# Allegro board SG2042_EVB_V1_1.brd (continued)
## Placement (name value [footprint] x y rotation side) (continued)
R1310  10K_1%  [R0402]  111.51 169.54 90 top
R1311  0R_1%  [R0402]  208.81 221.46 0 top
R1312  0R_1%  [R0402]  208.81 218.87 0 top
R1313  0R_1%  [R0402]  208.81 215.42 0 top
R1315  0R_1%  [R0402]  208.81 217.14 0 top
R1332  0R_1%  [R0402]  208.81 220.6 0 top
R1333  0R_1%  [R0402]  208.81 216.28 0 top
R1334  0R_1%  [R0402]  208.81 219.74 0 top
R1335  0R_1%  [R0402]  208.81 218.01 0 top
R1348  10R_1%  [R0402]  143.92 226.69 0 top
R1349  100K_1%_NC  [R0402]  143.92 228.42 0 top
R1350  75K_1%  [R0402]  141.78 227.13 90 top
R1351  40.2K_1%  [R0402]  140.46 228.42 180 top
R1352  13K_1%  [R0402]  142.19 228.42 180 top
R1353  4.7K_1%  [R0402]  229.36 202.36 90 top
R1354  4.7K_1%  [R0402]  228.5 202.36 90 top
R1355  4.7K_1%  [R0402]  227.63 202.36 90 top
R1356  4.7K_1%  [R0402]  233.02 202.36 90 top
R1357  4.7K_1%  [R0402]  230.23 202.36 90 top
R1358  1K_1%  [R0402]  233.88 202.36 90 top
R1359  1K_1%  [R0402]  231.09 202.36 90 top
R1360  4.7K_1%  [R0402]  45.59 197.99 0 top
R1361  4.7K_1%  [R0402]  45.59 200.53 0 top
R1362  4.7K_1%  [R0402]  45.59 203.07 0 top
R1363  4.7K_1%  [R0402]  53.06 197.49 0 top
R1364  4.7K_1%  [R0402]  53.06 199.42 0 top
R1365  1K_1%  [R0402]  55.4 196.04 180 bottom
R1366  1K_1%  [R0402]  55.4 198.86 180 bottom
R2021  0R_1%  [R0402]  273.96 180.29 0 top
R2023  22R_1%  [R0402]  273.96 185.37 0 top
R2024  22R_1%  [R0402]  273.96 187.91 0 top
R2025  0R_1%  [R0402]  273.96 182.83 0 top
R2037  10K_1%  [R0402]  253.82 186.08 270 bottom
R2054  0R_1%  [R0402]  269.98 187.96 180 top
R2056  0R_1%  [R0402]  247.93 196.72 0 top
R2057  0R_1%  [R0402]  269.98 197.46 180 top
R2058  0R_1%  [R0402]  247.93 198.45 0 top
R2059  0R_1%  [R0402]  247.93 197.59 0 top
R2060  0R_1%  [R0402]  247.93 199.31 0 top
R2065  10K_1%  [R0402]  257.3 232.61 0 top
R2066  4.7K_1%  [R0402]  293.19 174.42 180 bottom
R2067  4.7K_1%  [R0402]  293.19 173.56 180 bottom
R2068  0R_1%  [R0402]  269.98 194.01 0 top
R2069  0R_1%  [R0402]  269.98 193.14 0 top
R2070  0R_1%  [R0402]  269.98 192.28 0 top
R2071  0R_1%  [R0402]  269.98 191.41 0 top
R2072  0R_1%  [R0402]  269.98 196.6 0 top
R2073  0R_1%  [R0402]  269.98 190.55 0 top
R2074  0R_1%  [R0402]  269.98 189.69 0 top
R2075  0R_1%  [R0402]  269.98 188.82 0 top
R2076  0R_1%  [R0402]  269.98 199.19 0 top
R2077  0R_1%  [R0402]  269.98 198.32 0 top
R2078  0R_1%  [R0402]  269.98 183.64 0 top
R2079  0R_1%  [R0402]  269.98 182.78 0 top
R2080  200R_1%  [R0402]  252.65 231.9 90 top
R2081  0R_1%  [R0402]  214.02 47.47 180 top
R2082  0R_1%  [R0402]  214.02 46.56 180 top
R2083  0R_1%  [R0402]  214.02 48.39 180 top
R2084  0R_1%  [R0402]  214.02 45.64 180 top
R2085  0R_1%  [R0402]  61.95 47.55 0 top
R2086  0R_1%  [R0402]  61.95 45.64 0 top
R2087  0R_1%  [R0402]  61.95 48.41 0 top
R2088  0R_1%  [R0402]  61.95 44.78 0 top
R2091  0R_1%  [R0402]  256.82 202.87 90 top
R2092  0R_1%  [R0402]  257.68 202.87 90 top
R2093  10K_1%  [R0402]  257.68 202.87 90 bottom
R2094  10K_1%  [R0402]  256.82 202.87 90 bottom
R2097_NC  0R_1%  [R0402]  269.98 186.23 180 top
R2098  10K_1%  [R0402]  148.16 28.98 0 bottom
R2099  10K_1%  [R0402]  156.69 26.06 0 bottom
R2100  10K_1%  [R0402]  154.41 26.06 180 top
R2101  10K_1%  [R0402]  143.92 227.56 0 top
R2103  10K_1%_NC  [R0402]  85.62 224.87 180 bottom
R2104  0R_1%  [R0402]  247.93 195.86 0 top
R2106  0R_1%  [R0402]  269.98 200.05 0 top
R2107  22_NC  [R0402]  140.34 25.2 270 top
R2108  22_NC  [R0402]  139.47 25.2 270 top
R2111  10K_1%  [R0402]  140.64 23.98 270 bottom
R2112  0R_1% NC  [R0402]  140.64 21.92 270 bottom
R2113  10K_1%_NC  [R0402]  139.14 23.98 270 bottom
R2114  0R_1%  [R0402]  139.14 21.92 270 bottom
R2115  49.9R_1%_NC  [R0402]  140.77 23.9 180 top
R2116  49.9R_1%_NC  [R0402]  139.04 23.9 0 top
R2117  49.9R_1%  [R0402]  140.26 14.91 180 top
R2118  49.9R_1%  [R0402]  138.53 14.91 0 top
R2127  10K_1%_NC  [R0402]  52.48 224.31 0 top
R2174  0.5m_0.5%  [R2512]  117.88 168.2 90 top
R2175  0.5m_0.5%  [R2512]  216.84 97.46 0 top
R2176  0.5m_0.5%  [R2512]  225.37 98.09 180 bottom
R2177  0.5m_0.5%  [R2512]  59.16 98.07 180 top
R2178  0.5m_0.5%  [R2512]  50.47 98.7 0 bottom
R2179  0R_1% NC  [R0402]  261.98 153.26 180 top
R2180  0R_1% NC  [R0402]  261.98 145.44 180 top
R2181  0R_1% NC  [R0402]  216.03 191.24 180 top
R2182  0R_1% NC  [R0402]  219.84 191.24 0 top
R2183  10K_1%  [R0402]  144.2 27.86 270 top
R2184  22  [R0402]  293.19 187.93 0 top
R2185  22  [R0402]  293.19 187.07 0 top
R2186  110K_1%  [R0402]  154.56 26.49 270 bottom
R2187  32.4K_1%  [R0402]  154.97 25.2 180 bottom
R2188  110K_1%  [R0402]  156.54 26.49 270 top
R2189  32.4K_1%  [R0402]  156.13 25.2 0 top
R2190  4.7K_1%  [R0402]  293.19 189.66 0 bottom
R2191  4.7K_1%  [R0402]  293.19 188.8 0 bottom
R2192  4.7K_1%  [R0402]  293.19 187.93 0 bottom
R2193  4.7K_1%  [R0402]  293.19 187.07 0 bottom
R2194  4.7K_1%  [R0402]  293.19 186.21 0 bottom
R2195  4.7K_1%  [R0402]  293.19 185.34 0 bottom
R2196  4.7K_1%  [R0402]  293.19 184.48 0 bottom
R2197  4.7K_1%  [R0402]  293.19 183.62 0 bottom
R2198  0.5m_0.5%  [R2512]  77.75 225.5 90 top
R2199  10K_1%  [R0402]  75.11 222.66 270 top
R2200  10K_1%  [R0402]  113.41 217.75 0 top
R2203  22  [R0402]  293.19 141.02 0 top
R2204  22  [R0402]  293.19 140.16 0 top
R2205  22  [R0402]  293.19 139.29 0 top
R2206  22  [R0402]  293.19 138.43 0 top
R2207  22  [R0402]  293.19 137.57 0 top
R2208  22  [R0402]  293.19 171.83 0 top
R2209  22  [R0402]  14.88 183.01 270 top
R2211  22  [R0402]  293.19 156.26 0 top
R2212  22  [R0402]  293.19 155.4 0 top
R2213  22  [R0402]  293.19 154.53 0 top
R2214  22  [R0402]  293.19 153.67 0 top
R2215  22  [R0402]  293.19 152.81 0 top
R2216  22  [R0402]  293.19 151.94 0 top
R2217  22  [R0402]  293.19 151.08 0 top
R2218  22  [R0402]  293.19 150.22 0 top
R2219  22  [R0402]  293.24 207.92 0 top
R2220  22  [R0402]  293.24 207.06 0 top
R2221  22  [R0402]  293.24 206.2 0 top
R2222  22  [R0402]  293.24 205.33 0 top
R2223  22  [R0402]  293.24 204.47 0 top
R2224  22  [R0402]  293.24 203.61 0 top
R2225  22  [R0402]  293.24 202.74 0 top
R2226  22  [R0402]  293.24 201.88 0 top
R2227  22  [R0402]  293.24 223.16 0 top
R2228  22  [R0402]  293.24 222.3 0 top
R2229  22  [R0402]  293.24 221.44 0 top
R2230  22  [R0402]  293.24 220.57 0 top
R2231  22  [R0402]  293.24 219.71 0 top
R2232  22  [R0402]  293.24 218.85 0 top
R2233  22  [R0402]  293.24 217.98 0 top
R2234  22  [R0402]  293.24 217.12 0 top
R2235  0R_1%_NC  [R0402]  269.98 185.37 180 top
R2236  0R_1%_NC  [R0402]  269.98 184.51 180 top
R2238  0R_1%  [R0402]  269.98 194.87 0 top
R2239  10K_1%  [R0402]  269.98 195.73 0 bottom
R2240  10K_1%  [R0402]  269.98 194.87 0 bottom
R2241  10K_1%_NC  [R0402]  211.76 116.33 90 top
R2242  10K_1%_NC  [R0402]  202.36 116.33 90 top
R2243  10K_1%_NC  [R0402]  64.19 115.49 270 top
R2244  10K_1%_NC  [R0402]  73.58 115.49 270 top
R2247  22  [R0402]  25.7 153.06 0 top
R2248  22  [R0402]  25.7 152.2 0 top
R2249  0R_1%  [R0402]  269.98 195.73 0 top
R2250  0R_1%  [R0402]  264.59 202.87 90 top
R2251  0R_1%  [R0402]  263.73 202.87 90 top
R2252  0R_1%  [R0402]  258.55 202.87 90 top
R2253  0R_1%  [R0402]  259.41 202.87 90 top
R2254  4.7K_1%  [R0402]  25.7 153.06 180 bottom
R2255  4.7K_1%  [R0402]  25.7 152.2 180 bottom
R2256  22  [R0402]  288.11 179.17 270 top
R2257  22  [R0402]  287.25 179.17 270 top
R2258  22  [R0402]  289.84 179.17 270 top
R2259  22  [R0402]  288.98 179.17 270 top
R2260  22  [R0402]  291.57 179.17 270 top
R2261  22  [R0402]  290.7 179.17 270 top
R2272  1K_1%  [R0402]  146.3 7.95 270 top
R2274  22_NC  [R0402]  250.27 132 0 top
R2275  22_NC  [R0402]  250.27 131.14 0 top
R2276  22  [R0402]  9.68 134.8 0 top
R2277  22  [R0402]  293.19 189.66 0 top
R2278  22  [R0402]  293.19 188.8 0 top
R2279  22  [R0402]  293.19 174.42 0 top
R2280  22  [R0402]  9.68 137.34 0 top
R2281  22  [R0402]  9.68 139.88 0 top
R2282  22  [R0402]  9.68 142.42 0 top
R2299  22  [R0402]  56.29 186.69 0 top
R2300  0R_1% NC  [R0402]  21.26 199.01 270 bottom
R2301  10K_1%  [R0402]  6.5 211.73 0 top
R2302  10K_1%  [R0402]  6.5 227.56 0 top
R2303  0R_1%  [R0402]  265.43 180.82 90 top
R2304  0R_1%  [R0402]  266.29 180.82 90 top
R2305  0R_1%  [R0402]  264.57 180.82 90 top
R2306  22  [R0402]  14.02 183.01 270 top
R2307  10K_1%  [R0402]  257.66 180.82 270 bottom
R2308  10K_1%  [R0402]  258.52 180.82 270 bottom
R2309  10K_1%  [R0402]  259.38 180.82 270 bottom
R2310  10K_1%  [R0402]  260.25 180.82 270 bottom
R2311  10K_1%  [R0402]  261.11 180.82 270 bottom
R2312  10K_1%  [R0402]  261.98 180.82 270 bottom
R2313  10K_1%  [R0402]  262.84 180.82 270 bottom
R2314  10K_1%  [R0402]  260.27 202.87 90 bottom
R2315  10K_1%  [R0402]  261.14 202.87 90 bottom
R2316  10K_1%  [R0402]  262 202.87 90 bottom
R2323  0R_1%  [R0402]  260.27 202.87 90 top
R2324  0R_1%  [R0402]  261.14 202.87 90 top
R2325  0R_1%  [R0402]  262 202.87 90 top
R2331  0R_1%  [R0402]  257.66 180.82 90 top
R2332  0R_1%  [R0402]  258.52 180.82 90 top
R2333  0R_1%  [R0402]  259.38 180.82 90 top
R2334  0R_1%  [R0402]  260.25 180.82 90 top
R2335  0R_1%  [R0402]  261.11 180.82 90 top
R2336  0R_1%  [R0402]  261.98 180.82 90 top
R2337  0R_1%  [R0402]  262.84 180.82 90 top
R2338  0R_1%  [R0402]  263.7 180.82 90 top
R2340  10K_1%  [R0402]  251.28 191.34 0 bottom
R2341  10K_1% NC  [R0402]  255.09 199.52 270 bottom
R2342  10K_1% NC  [R0402]  259.31 184.15 90 bottom
R2343  10K_1%  [R0402]  255.96 199.52 90 bottom
R2344  10K_1%  [R0402]  258.44 184.15 270 bottom
R2346  10K_1%  [R0402]  250.27 142.98 180 top
R2347  0R_1% NC  [R0402]  250.27 142.11 0 top
R2348  10K_1%  [R0402]  250.27 145.52 180 top
R2349  0R_1% NC  [R0402]  250.27 144.65 0 top
R2350  10K_1%  [R0402]  250.27 130.28 180 top
R2363  22_NC  [R0402]  155.98 11.28 180 top
R2366  22  [R0402]  212.34 189.31 0 top
R2368  22  [R0402]  212.34 196.98 0 top
R2369  10K_1%  [R0402]  227.63 189.31 0 bottom
R2370  10K_1%  [R0402]  227.63 196.98 0 bottom
R2371  10K_1%_NC  [R0402]  250.27 153.14 180 top
R2372  0R_1%  [R0402]  250.27 152.27 0 top
R2373  10K_1%_NC  [R0402]  250.27 155.68 180 top
R2374  0R_1%  [R0402]  250.27 154.81 0 top
R2375  10K_1%_NC  [R0402]  250.27 148.06 180 top
R2376  0R_1%  [R0402]  250.27 147.19 0 top
R2377  10K_1%_NC  [R0402]  250.27 150.6 180 top
R2378  0R_1%  [R0402]  250.27 149.73 0 top
R2379  10K_1%  [R0402]  226.92 134.49 0 top
R2380  0R_1% NC  [R0402]  226.92 135.36 180 top
R2381  10K_1%  [R0402]  226.92 147.19 0 top
R2382  0R_1% NC  [R0402]  226.92 148.06 180 top
R2383  240R_1%  [R0201]  158.97 118.65 0 bottom
R2384  240R_1%  [R0201]  115.97 93.65 180 bottom
R2385  240R_1%  [R0201]  116.97 118.65 180 bottom
R2386  22  [R0402]  25.7 156.51 0 top
R2387  22  [R0402]  25.7 155.65 0 top
R2388  22  [R0402]  25.7 154.79 0 top
R2389  22  [R0402]  25.7 153.92 0 top
R2393  0.5m_0.5%  [R2512]  109.45 216.18 90 top
R2394  0R_1%  [R0402]  274.4 29.97 180 top
R2398  0R_1%  [R0402]  233.76 29.97 180 top
R2399  22  [R0402]  15.75 183.01 270 top
R2400  4.7K_1%  [R0402]  275.03 44.12 90 top
R2401  4.7K_1%  [R0402]  286.82 45.42 270 top
R2402  4.7K_1%  [R0402]  286.82 43.38 90 top
R2403  4.7K_1%  [R0402]  234.39 44.12 90 top
R2404  4.7K_1%  [R0402]  246.18 45.42 270 top
R2405  4.7K_1%  [R0402]  246.18 43.38 90 top
R2406  4.7K_1%  [R0402]  17.98 103.38 90 top
R2407  4.7K_1%  [R0402]  29.77 104.68 270 top
R2408  4.7K_1%  [R0402]  17.98 105.42 270 top
R2409  1K_1%_NC  [R0402]  274.17 44.12 90 top
R2410  1K_1%_NC  [R0402]  287.68 45.42 270 top
R2411  1K_1%_NC  [R0402]  287.68 43.38 90 top
R2412  1K_1%_NC  [R0402]  233.53 44.12 90 top
R2413  1K_1%_NC  [R0402]  247.04 45.42 270 top
R2414  1K_1%_NC  [R0402]  247.04 43.38 90 top
R2415  1K_1%_NC  [R0402]  17.12 103.38 90 top
R2416  1K_1%_NC  [R0402]  30.63 104.68 270 top
R2417  1K_1%_NC  [R0402]  17.12 105.42 270 top
R2418  0.5m_0.5%  [R2512]  123.62 168.2 90 top
R2419  0.5m_0.5%  [R2512]  129.36 168.2 90 top
R2420  0.5m_0.5%  [R2512]  135.1 168.2 90 top
R2421  0.5m_0.5%  [R2512]  140.84 168.2 90 top
R2422  0.5m_0.5%  [R2512]  146.58 168.2 90 top
R2423  0.5m_0.5%  [R2512]  152.32 168.2 90 top
R2424  0.5m_0.5%  [R2512]  158.06 168.2 90 top
R2426  22  [R0402]  18.34 183.01 270 top
R2427  22  [R0402]  17.48 183.01 270 top
R2428  22  [R0402]  16.61 183.01 270 top
R2429  10K_1%  [R0402]  154.69 11.68 90 top
R2430  10K_1%  [R0402]  155.55 12.9 270 top
R2431  10K_1%  [R0402]  157.28 11.68 90 top
R2432  1K_1%  [R0402]  155.14 14.2 0 top
R2433  1K_1%  [R0402]  158.57 11.28 180 top
R2434  1K_1%  [R0402]  281.81 194.87 0 top
R2435  1K_1%  [R0402]  281.81 195.73 0 top
R2436  22  [R0402]  289.48 195.35 180 top
R2437  22  [R0402]  289.48 196.22 180 top
R2438  22  [R0402]  283.85 195.73 180 top
R2439  22  [R0402]  283.85 194.87 180 top
R2440  4.7K_1%  [R0402]  248.31 193.24 270 top
R2441  200R_1%  [R0402]  244.6 195.81 0 top
R2442  4.7K_1%  [R0402]  263.7 180.82 90 bottom
R2443  200R_1%  [R0402]  261.49 177.24 270 top
R2445  0R_1%  [R0402]  262.86 202.87 90 top
R2446  200R_1%  [R0402]  240.36 193.01 270 top
R2447  15K_1%_NC  [R0402]  65.3 200.41 180 top
R2448  1K_1%  [R0402]  63.14 200.81 90 top
R2449  15K_1%_NC  [R0402]  227.79 216.08 270 top
R2450  1K_1%  [R0402]  228.19 213.92 0 top
R2451  0.5m_0.5%_NC  [R2512]  96.06 222.45 90 bottom
R2452  0.5m_0.5%  [R2512]  94.26 216.61 180 bottom
R2454  0R_1%  [R0402]  218.95 73.38 270 top
R2455  0R_1%  [R0402]  54.41 73.99 270 top
R2456  0R_1%  [R0402]  179.5 202.59 90 top
R2457  0R_1%  [R0402]  169.44 202.59 90 top
R2458  0R_1%  [R0402]  149.33 202.59 90 top
R2459  0R_1%  [R0402]  139.27 202.59 90 top
R2460  0R_1%  [R0402]  159.38 202.59 90 top
R2461  0R_1%  [R0402]  119.15 202.59 90 top
R2462  0R_1%  [R0402]  109.09 202.59 90 top
R2463  0R_1%  [R0402]  129.21 202.59 90 top
R2464  0R_1%  [R0402]  99.03 202.59 90 top
R2465  0R_1%  [R0402]  124.33 13.94 270 top
R2466  5mR_1%  [R0805]  133.81 43.23 90 top
R2467  5mR_1%  [R0805]  146.23 40.56 0 top
R2468  22  [R0402]  16.28 192.99 270 top
R2469  22  [R0402]  17.14 192.99 270 top
R2470  22  [R0402]  277.04 231.44 0 top
R2471  22  [R0402]  277.04 232.31 0 top
R2472  22  [R0402]  288.14 231.44 0 top
R2473  22  [R0402]  288.14 232.31 0 top
R2474  22  [R0402]  14.2 192.99 270 top
R2480  0R_1% NC  [R0402]  231.32 191.24 180 top
R2481  22  [R0402]  227.63 196.98 0 top
R2488  0R_1% NC  [R0402]  235.13 191.24 0 top
R2489  22  [R0402]  227.63 189.31 0 top
R2490  0R_1%  [R0402]  269.98 187.1 0 top
R2491  10K_1%  [R0402]  269.98 187.1 0 bottom
R2492  22  [R0402]  283.44 136.7 0 top
R2493  100R_1%  [R0402]  123.44 36.4 180 top
R2494  100R_1%  [R0402]  53.52 97.76 180 top
R2495  100R_1%  [R0402]  145.26 37.03 180 bottom
SW1  DSHP06TSGER  [SW-6BI]  263.83 160.1 270 top
SW2  DSHP06TSGER  [SW-6BI]  25.15 165.51 90 top
SW3  DSHP06TSGER  [SW-6BI]  263.83 118.72 270 top
SW4  DSHP06TSGER  [SW-6BI]  263.83 130.94 270 top
SW5  DSHP06TSGER  [SW-6BI]  263.83 106.5 270 top
SW201  SW KEY-SPST  [SW2-050-150X105-H141]  129.54 222.61 0 top
T1  G2405CG  [SOP24-50-1218-062]  24.51 213.13 0 top
T2  T_VMON_P  [TP30]  202.46 198.78 0 top
T3  T_VMON_N  [TP30]  202.46 197.61 0 top
T4  T_PWR_BUTTON  [TP30]  18.11 192.61 0 top
T5  T_SYS_RST_X  [TP30]  13.23 193.4 0 top
T6  EMMC_PWR_EN  [TP30]  198.3 202.03 0 top
T7  SDIO_RST_X  [TP30]  63.68 216.92 0 top
T8  EMMC_CLK  [TP30]  197.13 202.03 0 top
T9  PIN6  [TP30]  211.76 121.62 0 top
T10  PIN1  [TP30]  159.47 94.65 180 bottom
T11  PIN2  [TP30]  158.47 89.65 180 bottom
T12  PIN3  [TP30]  158.47 90.65 180 bottom
T13  PIN4  [TP30]  158.47 94.65 180 bottom
T14  PIN5  [TP30]  158.47 93.65 180 bottom
T15  PIN7  [TP30]  211.76 122.78 0 top
T16  PIN10  [TP30]  159.47 119.65 180 bottom
T17  PIN11  [TP30]  158.47 119.65 180 bottom
T18  PIN12  [TP30]  158.47 120.65 180 bottom
T19  PIN13  [TP30]  158.47 122.65 180 bottom
T20  PIN14  [TP30]  159.47 122.65 180 bottom
T21  PIN8  [TP30]  64.19 123.19 0 top
T22  PIN15  [TP30]  116.47 94.65 180 bottom
T23  PIN16  [TP30]  117.47 89.65 180 bottom
T24  PIN17  [TP30]  117.47 90.65 180 bottom
T25  PIN18  [TP30]  117.47 94.65 180 bottom
T26  PIN19  [TP30]  117.47 93.65 180 bottom
T27  PIN9  [TP30]  64.19 122.02 0 top
T28  PIN20  [TP30]  116.47 119.65 180 bottom
T29  PIN21  [TP30]  117.47 119.65 180 bottom
T30  PIN22  [TP30]  117.47 120.65 180 bottom
T31  PIN23  [TP30]  117.47 122.65 180 bottom
T32  PIN24  [TP30]  116.47 122.65 180 bottom
T33  PIN43  [TP30]  15.32 192.63 0 top
T34  PIN26  [TP30]  196.67 198.81 0 top
T35  PIN51  [TP30]  195.2 198.78 0 top
T36  PIN50  [TP30]  63.25 183.51 0 top
T37  PIN25  [TP30]  195.2 197.61 0 top
T38  PIN27  [TP30]  196.67 197.61 0 top
T39  PIN28  [TP30]  63.25 184.61 0 top
T40  I_VDD_EMMC_1V8  [TP30]  130.51 46.84 0 top
T41  I_VDD_EMMC_3V3  [TP30]  128.98 47.37 0 top
T42  I_VDD_RGMII_1V8  [TP30]  131.93 43.69 0 top
T43  test1  [TP30]  28.98 199.42 0 top
T44  VBUS2  [TP30]  276.99 237.85 0 top
T45  I_VQPS18  [TP30]  140.16 48.16 0 top
T46  VBUS1  [TP30]  288.09 237.85 0 top
T47  T_VDD_3V3  [TP30]  89.97 212.98 0 top
T48  PIN29  [TP30]  150.11 44.75 0 top
T49  PIN30  [TP30]  134.06 45.72 0 top
T50  PIN31  [TP30]  150.95 42.77 0 top
T51  T_3.3V_AUX  [TP30]  104.22 216.41 0 top
T52  PIN32  [TP30]  151.43 34.54 0 top
T53  -  [TP30]  142.47 45.47 0 top
T54  PIN46  [TP30]  72.9 222.25 0 top
T55  PIN33  [TP30]  161.65 27.69 0 top
T56  PIN47  [TP30]  115.04 216.71 0 top
T57  T_VDD_PCIE_H_1V8  [TP30]  156.01 38.81 0 top
T58  T_VDDIO18  [TP30]  158.45 36.09 0 top
T59  T_VDDIO33  [TP30]  135.2 50.67 0 top
T60  I_VDDC  [TP30]  83.79 208.84 0 top
T61  I_DDR_VDD_0V8  [TP30]  122.5 41.71 0 top
T62  DDR23_VTT_0V6  [TP30]  56.67 104.09 0 top
T63  DDR01_VTT_0V6  [TP30]  219.76 103.48 0 top
T64  I_DDR23_VTT_0V6  [TP30]  49.89 106.78 0 top
T65  I_DDR01_VTT_0V6  [TP30]  228.63 109.25 0 top
T66  DDR23_VPP_2V5  [TP30]  57.76 39.75 0 top
T67  DDR01_VPP_2V5  [TP30]  217.07 41.02 0 top
T68  I_DDR23_VPP_2V5  [TP30]  52.27 52.32 0 top
T69  I_DDR01_VPP_2V5  [TP30]  221.79 45.16 0 top
T70  I_DDR01_VDDQ_1V2  [TP30]  229.59 94.21 0 top
T71  I_DDR01_VDDQ_1V2_DIMM  [TP30]  219.76 100.36 0 top
T72  TP11  [TP30]  226.06 202.56 0 top
T73  I_DDR23_VDDQ_1V2  [TP30]  45.82 93.88 0 top
T74  I_DDR23_VDDQ_1V2_DIMM  [TP30]  53.7 103.86 0 top
T75  DDR01_VDDQ_1V2  [TP30]  228.27 104.11 0 top
T76  DDR23_VDDQ_1V2  [TP30]  47.57 104.72 0 top
TP1  TP1  [TP30]  51.16 201.55 270 top
TP2  TP2  [TP30]  51.16 200.53 270 top
TP3  TP3  [TP30]  51.16 199.52 270 top
TP5  TP5  [TP30]  53.34 198.45 0 top
TP6  TP6  [TP30]  64.49 195.15 270 top
TP7  TP7  [TP30]  138.2 162.59 0 top
TP8  TP8  [TP30]  137.03 162.59 0 top
TP12  TP12  [TP30]  226.06 205.1 0 top
TP13  TP13  [TP30]  226.06 207.65 0 top
TP14  TP14  [TP30]  226.06 200.03 0 top
TP15  TP15  [TP30]  232.05 202.77 0 top
TP16  TP16  [TP30]  233.58 213.82 0 top
TP17  TP17  [TP30]  127.1 39.14 0 top
TP18  TP18  [TP30]  51.16 198.5 270 top
TP19  TP19  [TP30]  226.06 210.19 0 top
TP30  MCU_NRST  [TP30]  272.52 182.83 0 top
TP31  MCU_SWDIO  [TP30]  272.52 185.37 0 top
TP32  MCU_SWCLK  [TP30]  272.52 187.91 0 top
TP33  GND  [TP30]  272.52 190.45 0 top
TP34  T_VDD_MCU  [TP30]  272.52 180.29 0 top
U1  SG2042-0822  [BGA3044-100-5757]  137.97 106.15 0 top
U2  THGBMHG8C2LBAIL  [VFBGA153]  213.28 205.79 0 top
U3  TP199A2T-CR  [SOT363-6]  132.38 47.73 270 bottom
U4  TP199A2T-CR  [SOT363-6]  132.64 48.01 0 top
U5  dio7299  [BGA4-20-0202]  45.34 221.51 270 top
U6  TP199A2T-CR  [SOT363-6]  130.28 44.48 180 bottom
U7  RTL8211FD-CG  [QFN40-040-5050]  25.15 197.21 270 bottom
U10  GD25LB512MEYIGR  [DFN8-127-8060-H008]  217.93 195.07 0 top
U11  CT7451  [DFN8-050-2020]  215.24 181.86 270 top
U12  NXS0108PW  [TXS0108E]  288.37 220.14 270 top
U13  dio7299  [BGA4-20-0202]  135.53 50.24 270 bottom
U14  NXS0108PW  [TXS0108E]  288.37 204.9 270 top
U15  CP2102  [QFN-28_CP2102]  283.82 231.62 270 top
U17  LMK00338RTAT  [WQFN40-050-6161]  140.39 19.41 180 top
U19  MP1653GTF  [SOT563-6-H06]  147.02 31.52 0 bottom
U20  TP199A2T-CR  [SOT363-6]  149.71 40.94 270 bottom
U24  TP199A2T-CR  [SOT363-6]  137.64 44.27 0 top
U25  MP1653GTF  [SOT563-6-H06]  86.77 222.33 180 bottom
U26  TP199A2T-CR  [SOT363-6]  146.56 44.55 180 top
U27  TP199A2T-CR  [SOT363-6]  152.22 37.69 0 bottom
U28  MP1653GTF  [SOT563-6-H06]  155.55 28.6 0 bottom
U30  TP199A2T-CR  [SOT363-6]  159.51 31.34 180 top
U31  MP1653GTF  [SOT563-6-H06]  155.55 28.6 180 top
U34  MP86956GMJ-Z  [QFN39-045-5060-H008]  178.21 197.82 0 top
U35  MP86956GMJ-Z  [QFN39-045-5060-H008]  168.15 197.82 0 top
U36  MP86956GMJ-Z  [QFN39-045-5060-H008]  158.09 197.82 0 top
U37  MP2973GQK-XXXX-Z  [QFN48-040-6060-H009]  58.04 198.25 270 top
U38  MP86956GMJ-Z  [QFN39-045-5060-H008]  127.91 197.82 0 top
U39  MP86956GMJ-Z  [QFN39-045-5060-H008]  148.03 197.82 0 top
U40  MP86956GMJ-Z  [QFN39-045-5060-H008]  137.97 197.82 0 top
U41  MP86956GMJ-Z  [QFN39-045-5060-H008]  107.8 197.82 0 top
U42  MP86956GMJ-Z  [QFN39-045-5060-H008]  117.86 197.82 0 top
U43  MP86956GMJ-Z  [QFN39-045-5060-H008]  125.63 18.72 180 top
U44  MP86956GMJ-Z  [QFN39-045-5060-H008]  97.74 197.82 0 top
U45  TP199A2T-CR  [SOT363-6]  123.29 38.56 270 top
U47  SQ24335DBD  [DFN10-050-3030-H075B]  222.53 112.65 90 top
U48  TP199A2T-CR  [SOT363-6]  225.96 107.8 180 top
U49  SQ29020VDC  [DFN19-050-3040-H075]  217.2 63.73 180 top
U50  TP199A2T-CR  [SOT363-6]  220.27 48.95 180 top
U51  TP199A2T-CR  [SOT363-6]  138.23 48.62 180 bottom
U53  MP2973GQK-XXXX-Z  [QFN48-040-6060-H009]  230.76 208.33 0 top
U54  MP86956GMJ-Z  [QFN39-045-5060-H008]  220.24 78.16 180 top
U55  MP86956GMJ-Z  [QFN39-045-5060-H008]  55.7 78.77 180 top
U56  SQ24335DBD  [DFN10-050-3030-H075B]  55.19 114.91 90 top
U57  TP199A2T-CR  [SOT363-6]  53.62 107.19 0 top
U58  SQ29020VDC  [DFN19-050-3040-H075]  57.43 63.63 180 top
U59  TP199A2T-CR  [SOT363-6]  52.12 48.11 0 top
U60  SQ29020VDC  [DFN19-050-3040-H075]  142.11 32.33 90 top
U61  TP199A2T-CR  [SOT363-6]  227.18 94.13 180 bottom
U62  TP199A2T-CR  [SOT363-6]  222.43 101.27 0 top
U63  TP199A2T-CR  [SOT363-6]  47.85 94.89 270 bottom
U64  TP199A2T-CR  [SOT363-6]  54.84 101.4 270 top
U805  CP2102  [QFN-28_CP2102]  272.72 231.62 270 top
U806  NXS0108PW  [TXS0108E]  288.32 153.24 270 top
U807  NXS0108PW  [TXS0108E]  288.32 138 270 top
U808  MP1653GTF  [SOT563-6-H06]  100.89 222.33 180 bottom
U811  GD25LB512MEYIGR  [DFN8-127-8060-H008]  217.93 187.4 0 top
U812  GD25LB512MEYIGR  [DFN8-127-8060-H008]  263.88 149.43 0 top
U813  GD25LB512MEYIGR  [DFN8-127-8060-H008]  263.88 141.6 0 top
U814  NXS0108PW  [TXS0108E]  203.94 218.44 270 top
U815  TP199A2T-CR  [SOT363-6]  113.31 168.2 0 top
U816  MP1653GTF  [SOT563-6-H06]  142.77 225.02 0 top
U2001  DS1307ZN+  [SOP8-127-4050]  274.78 216.69 270 top
U2002  CP2102  [QFN-28_CP2102]  261.62 231.62 270 top
U2003  NXS0108PW  [TXS0108E]  287.5 186.74 270 top
U2004  TP199A2T-CR  [SOT363-6]  74.45 224.99 180 top
U2005  TP199A2T-CR  [SOT363-6]  113.94 219.56 90 top
U2006  NXS0108PW  [TXS0108E]  287.5 171.5 270 top
U2009  GD32E503VCT6  [QFP100-050-160X160]  258.95 191.85 270 top
U2010  NXS0108PW  [TXS0108E]  20.83 153.59 270 top
U2011  NXS0108PW  [TXS0108E]  15.32 187.88 180 top
U2012  CT7451  [DFN8-050-2020]  286.28 195.81 90 top
U2013  GD25LB512MEYIGR  [DFN8-127-8060-H008]  233.22 195.07 0 top
U2014  GD25LB512MEYIGR  [DFN8-127-8060-H008]  233.22 187.4 0 top
X1  SIT1602BI-22-18E-25  [X4-3225-H1_2MM]  176.28 164.36 0 top
X2  SIT1602BI-22-18E-25  [X4-3225-H1_2MM]  119.66 150.85 180 top
X3  SIT1602BI-22-18E-25  [X4-3225-H1_2MM]  146.02 155.02 270 top
X4  SIT1602BI-22-18E-25  [X4-3225-H1_2MM]  150.19 155.02 270 top
Y1  25MHZ  [X4-3225-H08]  17.42 197.31 90 bottom
Y2  SML-100000-7CL4T0  [X6-5070-H014]  138.13 9.32 0 top
Y2000  32.768KHz  [X2-3215-H009]  273.96 221.69 0 top

## Library data of the parts
ATXPWR1 = POWER_CON_24P_0
BT2000 = BATTERY_5
C1-C17 C19-C37 C39-C57 C59-C77 C79 C80 C528 C530 C545 C548-C552 C557-C565 C573 C574 C584 C586 C1157-C1165 C1167 C1168 C1171 C1178 C1183-C1196 C1201 C1207 C1209 C1211 C1217-C1219 C1230-C1232 C1239-C1263 C1266-C1269 C1272-C1275 C1277-C1280 C1282-C1287 C1289-C1311 C1313-C1319 C1322-C1328 C1331-C1334 C1336-C1374 C1377-C1379 C1383-C1388 C1390-C1394 C1397-C1416 C1418 C1420-C1422 C1424-C1439 C1441-C1446 C1448 C1450 C1452 C1454 C1456 C1458 C1460 C1462 C1491-C1494 C1496-C1506 C1509-C1523 C1526-C1538 C1540-C1552 C1554-C1567 C1569-C1577 C1674 C1737 C1738 C1743-C1746 C1805 C2000 C2001 C2010 C3147-C3157 C3159 C3161 C3174 C3175 C3231 C3232 C3234 C3264 C3265 C3272 C3276 C3289 C3290 C3294-C3303 C3307 C3309 C3310 C3314 C3316 C3317 C3323-C3334 = CAP_NP
C81-C129 C132-C179 C181-C267 C281-C364 C445-C471 C475-C499 C505-C519 C526 C531-C543 C568 C570-C572 C575 C576 C578-C580 C582 C583 C587 C590 C592 C594 C600 C602 C604 C606-C731 C756-C881 C976-C1011 C1156 C1172 C1173 C1210 C1213 C1214 C1221 C1222 C1235 C1236 C1465 C1466 C1468 C1469 C1471-C1488 C1580-C1593 C1597-C1606 C1610-C1626 C1630-C1634 C1638-C1642 C1675 C1677 C1678 C1699-C1736 C3119 C3144-C3146 C3162 C3164 C3165 C3252-C3262 C3266 C3267 C3273 C3274 C3277-C3287 C3291 C3308 C3315 C3321 C3322 C3335 = C_0.1uF
C381-C444 = CAP_NP: signal model: CAP_NP_C0402_220NF_25V_220nF_25V
C525 C577 C581 C585 C1169 C1170 C1208 C1212 C1215 C1220 C1233 C1234 C1673 C1676 C3143 C3160 C3163 = CAP NP
